# KiCad board JL-rev1.kicad_pcb (continued)
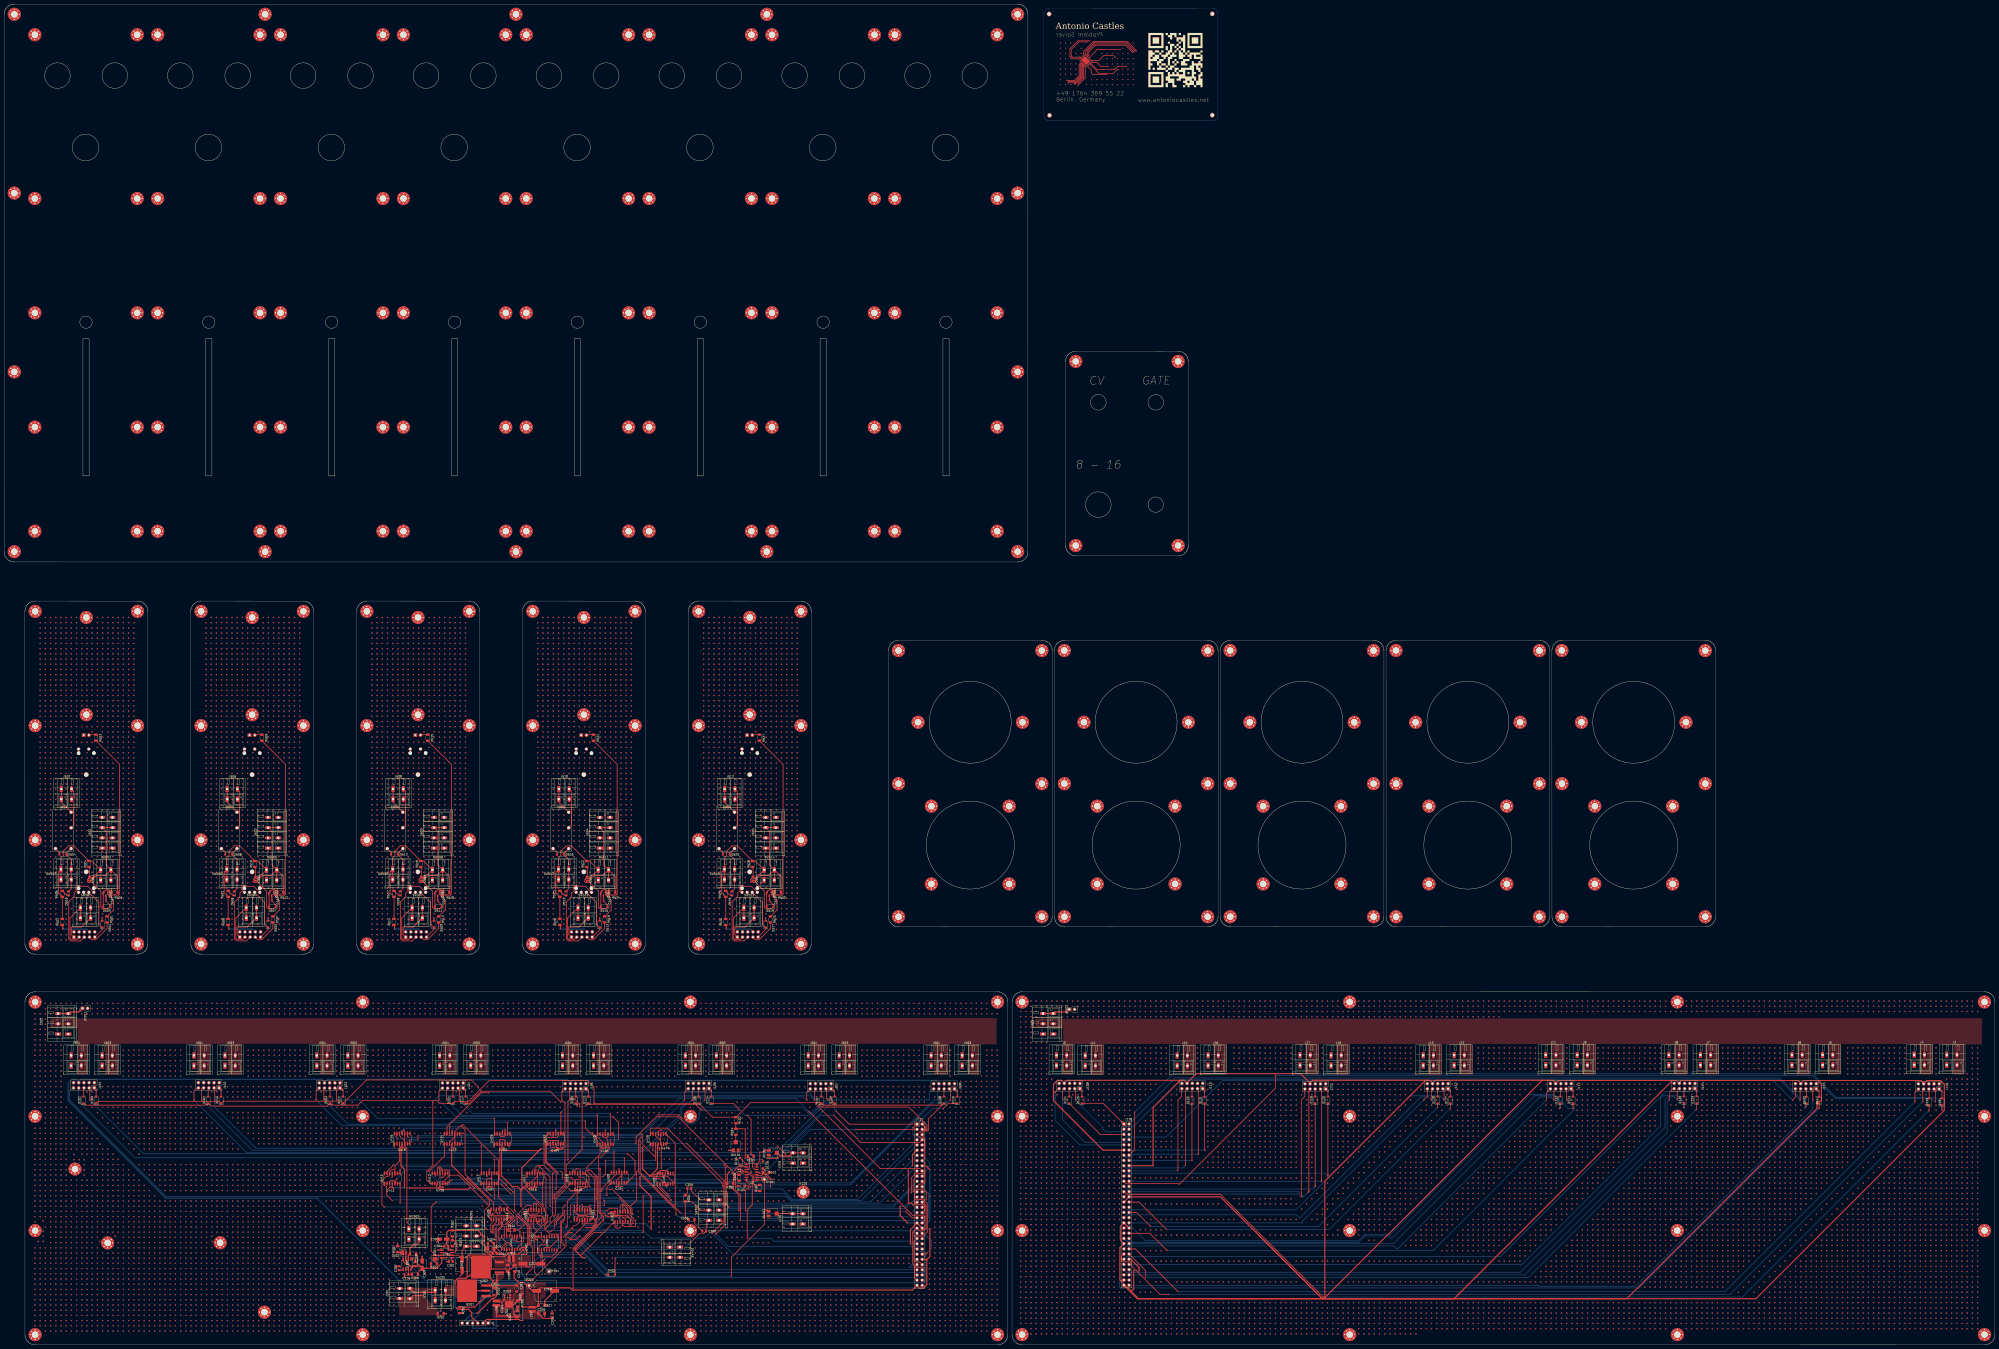
[diagram p0: board, top side]
## Routing (per net, layer and track width the routed paths; a pad name or vN(x,y) marks a point on that pad's centre or on a via; arc(x,y) is an arc through that point) (continued)
  vias: v4(496.44,162.87) v4(496.44,160.33) v4(496.44,157.79) v4(496.44,155.25) v4(496.44,152.71) v4(496.44,150.17) v4(496.44,147.63) v4(496.44,145.09) v4(496.44,142.55) v4(496.44,140.01) v4(496.44,137.47) v4(496.44,134.93) v4(496.44,132.39) v4(496.44,129.85) v4(496.44,127.31) v4(496.44,124.77) v4(496.44,122.23) v4(496.44,119.69) v4(496.44,117.15) v4(496.44,106.99) v4(496.44,104.45) v4(496.44,101.91) v4(496.44,99.37) v4(496.44,96.83) v4(496.44,94.29) v4(496.44,91.75) v4(496.44,89.21) v4(496.44,86.67) v4(496.44,84.13) v4(496.44,81.59) v4(496.44,79.05) v4(496.44,76.51) v4(496.44,73.97) v4(496.44,71.43) v4(496.44,68.89) v4(496.44,66.35) v4(496.44,63.81) v4(496.44,61.27) v4(496.44,51.11) v4(496.44,48.57) v4(496.44,46.03) v4(496.44,43.49) v4(496.44,40.95) v4(496.44,38.41) v4(496.44,35.87) v4(496.44,33.33) v4(496.44,30.79) v4(496.44,28.25) v4(496.44,25.71) v4(496.44,23.17) v4(496.44,20.63) v4(496.44,18.09) v4(496.44,15.55) v4(496.44,13.01) v4(496.44,10.47) v4(498.98,162.87) v4(498.98,160.33) v4(498.98,157.79) v4(498.98,155.25) v4(498.98,152.71) v4(498.98,150.17) v4(498.98,147.63) v4(498.98,145.09) v4(498.98,142.55) v4(498.98,140.01) v4(498.98,137.47) v4(498.98,134.93) v4(498.98,132.39) v4(498.98,129.85) v4(498.98,127.31) v4(498.98,124.77) v4(498.98,122.23) v4(498.98,119.69) v4(498.98,117.15) v4(498.98,106.99) v4(498.98,104.45) v4(498.98,101.91) v4(498.98,99.37) v4(498.98,96.83) v4(498.98,94.29) v4(498.98,91.75) v4(498.98,89.21) v4(498.98,86.67) v4(498.98,84.13) v4(498.98,81.59) v4(498.98,79.05) v4(498.98,76.51) v4(498.98,73.97) v4(498.98,71.43) v4(498.98,68.89) v4(498.98,66.35) v4(498.98,63.81) v4(498.98,61.27) v4(498.98,51.11) v4(498.98,48.57) v4(498.98,46.03) v4(498.98,43.49) v4(498.98,40.95) v4(498.98,38.41) v4(498.98,35.87) v4(498.98,33.33) v4(498.98,30.79) v4(498.98,28.25) v4(498.98,25.71) v4(498.98,23.17) v4(498.98,20.63) v4(498.98,18.09) v4(498.98,15.55) v4(498.98,13.01) v4(498.98,10.47) v4(501.52,167.95) v4(501.52,165.41) v4(501.52,162.87) v4(501.52,160.33) v4(501.52,157.79) v4(501.52,155.25) v4(501.52,152.71) v4(501.52,150.17) v4(501.52,147.63) v4(501.52,145.09) v4(501.52,142.55) v4(501.52,140.01) v4(501.52,137.47) v4(501.52,134.93) v4(501.52,132.39) v4(501.52,129.85) v4(501.52,127.31) v4(501.52,124.77) v4(501.52,122.23) v4(501.52,119.69) v4(501.52,117.15) v4(501.52,114.61) v4(501.52,112.07) v4(501.52,109.53) v4(501.52,106.99) v4(501.52,104.45) v4(501.52,101.91) v4(501.52,99.37) v4(501.52,96.83) v4(501.52,94.29) v4(501.52,91.75) v4(501.52,89.21) v4(501.52,86.67) v4(501.52,84.13) v4(501.52,81.59) v4(501.52,79.05) v4(501.52,76.51) v4(501.52,73.97) v4(501.52,71.43) v4(501.52,68.89) v4(501.52,66.35) v4(501.52,63.81) v4(501.52,61.27) v4(501.52,58.73) v4(501.52,56.19) v4(501.52,53.65) v4(501.52,51.11) v4(501.52,48.57) v4(501.52,46.03) v4(501.52,43.49) v4(501.52,40.95) v4(501.52,38.41) v4(501.52,35.87) v4(501.52,33.33) v4(501.52,30.79) v4(501.52,28.25) v4(501.52,25.71) v4(501.52,23.17) v4(501.52,20.63) v4(501.52,18.09) v4(501.52,15.55) v4(501.52,13.01) v4(501.52,10.47) v4(501.52,7.93) v4(501.52,5.39) v4(504.06,167.95) v4(504.06,165.41) v4(504.06,162.87) v4(504.06,160.33) v4(504.06,147.63) v4(504.06,145.09) v4(504.06,142.55) v4(504.06,140.01) v4(504.06,137.47) v4(504.06,134.93) v4(504.06,132.39) v4(504.06,129.85) v4(504.06,127.31) v4(504.06,124.77) v4(504.06,122.23) v4(504.06,119.69) v4(504.06,117.15) v4(504.06,114.61) v4(504.06,112.07) v4(504.06,109.53) v4(504.06,106.99) v4(504.06,104.45) v4(504.06,101.91) v4(504.06,99.37) v4(504.06,96.83) v4(504.06,94.29) v4(504.06,91.75) v4(504.06,89.21) v4(504.06,86.67) v4(504.06,84.13) v4(504.06,81.59) v4(504.06,79.05) v4(504.06,76.51) v4(504.06,73.97) v4(504.06,71.43) v4(504.06,68.89) v4(504.06,66.35) v4(504.06,63.81) v4(504.06,61.27) v4(504.06,58.73) v4(504.06,56.19) v4(504.06,53.65) v4(504.06,51.11) v4(504.06,48.57) v4(504.06,46.03) v4(504.06,43.49) v4(504.06,40.95) v4(504.06,38.41) v4(504.06,35.87) v4(504.06,33.33) v4(504.06,30.79) v4(504.06,28.25) v4(504.06,25.71) v4(504.06,23.17) v4(504.06,20.63) v4(504.06,18.09) v4(504.06,15.55) v4(504.06,13.01) v4(504.06,10.47) v4(504.06,7.93) v4(504.06,5.39) v4(506.6,167.95) v4(506.6,165.41) v4(506.6,147.63) v4(506.6,145.09) v4(506.6,142.55) v4(506.6,140.01) v4(506.6,137.47) v4(506.6,134.93) v4(506.6,132.39) v4(506.6,129.85) v4(506.6,127.31) v4(506.6,124.77) v4(506.6,122.23) v4(506.6,119.69) v4(506.6,117.15) v4(506.6,114.61) v4(506.6,112.07) v4(506.6,109.53) v4(506.6,106.99) v4(506.6,104.45) v4(506.6,101.91) v4(506.6,99.37) v4(506.6,96.83) v4(506.6,94.29) v4(506.6,91.75) v4(506.6,89.21) v4(506.6,86.67) v4(506.6,84.13) v4(506.6,81.59) v4(506.6,79.05) v4(506.6,76.51) v4(506.6,73.97) v4(506.6,71.43) v4(506.6,68.89) v4(506.6,66.35) v4(506.6,63.81) v4(506.6,61.27) v4(506.6,58.73) v4(506.6,56.19) v4(506.6,53.65) v4(506.6,51.11) v4(506.6,48.57) v4(506.6,46.03) v4(506.6,43.49) v4(506.6,40.95) v4(506.6,38.41) v4(506.6,35.87) v4(506.6,33.33) v4(506.6,30.79) v4(506.6,28.25) v4(506.6,25.71) v4(506.6,23.17) v4(506.6,20.63) v4(506.6,18.09) v4(506.6,15.55) v4(506.6,13.01) v4(506.6,10.47) v4(506.6,7.93) v4(506.6,5.39) v4(509.14,167.95) v4(509.14,165.41) v4(509.14,147.63) v4(509.14,145.09) v4(509.14,142.55) v4(509.14,140.01) v4(509.14,137.47) v4(509.14,134.93) v4(509.14,132.39) v4(509.14,129.85) v4(509.14,127.31) v4(509.14,124.77) v4(509.14,122.23) v4(509.14,119.69) v4(509.14,117.15) v4(509.14,114.61) v4(509.14,112.07) v4(509.14,109.53) v4(509.14,106.99) v4(509.14,104.45) v4(509.14,101.91) v4(509.14,99.37) v4(509.14,96.83) v4(509.14,94.29) v4(509.14,91.75) v4(509.14,89.21) v4(509.14,86.67) v4(509.14,84.13) v4(509.14,81.59) v4(509.14,79.05) v4(509.14,76.51) v4(509.14,73.97) v4(509.14,71.43) v4(509.14,68.89) v4(509.14,66.35) v4(509.14,63.81) v4(509.14,61.27) v4(509.14,58.73) v4(509.14,56.19) v4(509.14,53.65) v4(509.14,51.11) v4(509.14,48.57) v4(509.14,46.03) v4(509.14,43.49) v4(509.14,40.95) v4(509.14,38.41) v4(509.14,35.87) v4(509.14,33.33) v4(509.14,30.79) v4(509.14,28.25) v4(509.14,25.71) v4(509.14,23.17) v4(509.14,20.63) v4(509.14,18.09) v4(509.14,15.55) v4(509.14,13.01) v4(509.14,10.47) v4(509.14,7.93) v4(509.14,5.39) v4(511.68,167.95) v4(511.68,165.41) v4(511.68,129.85) v4(511.68,117.15) v4(511.68,114.61) v4(511.68,112.07) v4(511.68,109.53) v4(511.68,106.99) v4(511.68,104.45) v4(511.68,101.91) v4(511.68,99.37) v4(511.68,96.83) v4(511.68,94.29) v4(511.68,91.75) v4(511.68,89.21) v4(511.68,86.67) v4(511.68,84.13) v4(511.68,81.59) v4(511.68,79.05) v4(511.68,76.51) v4(511.68,73.97) v4(511.68,71.43) v4(511.68,68.89) v4(511.68,66.35) v4(511.68,63.81) v4(511.68,61.27) v4(511.68,58.73) v4(511.68,56.19) v4(511.68,53.65) v4(511.68,51.11) v4(511.68,48.57) v4(511.68,46.03) v4(511.68,43.49) v4(511.68,40.95) v4(511.68,38.41) v4(511.68,35.87) v4(511.68,33.33) v4(511.68,30.79) v4(511.68,28.25) v4(511.68,25.71) v4(511.68,23.17) v4(511.68,20.63) v4(511.68,18.09) v4(511.68,15.55) v4(511.68,13.01) v4(511.68,10.47) v4(511.68,7.93) v4(511.68,5.39) v4(514.22,167.95) v4(514.22,165.41) v4(514.22,122.23) v4(514.22,104.45) v4(514.22,101.91) v4(514.22,99.37) v4(514.22,96.83) v4(514.22,94.29) v4(514.22,91.75) v4(514.22,89.21) v4(514.22,86.67) v4(514.22,84.13) v4(514.22,81.59) v4(514.22,79.05) v4(514.22,76.51) v4(514.22,73.97) v4(514.22,71.43) v4(514.22,68.89) v4(514.22,66.35) v4(514.22,63.81) v4(514.22,61.27) v4(514.22,58.73) v4(514.22,56.19) v4(514.22,53.65) v4(514.22,51.11) v4(514.22,48.57) v4(514.22,46.03) v4(514.22,43.49) v4(514.22,40.95) v4(514.22,38.41) v4(514.22,35.87) v4(514.22,33.33) v4(514.22,30.79) v4(514.22,28.25) v4(514.22,25.71) v4(514.22,23.17) v4(514.22,20.63) v4(514.22,18.09) v4(514.22,15.55) v4(514.22,13.01) v4(514.22,10.47) v4(514.22,7.93) v4(514.22,5.39) v4(516.76,167.95) v4(516.76,165.41) v4(516.76,160.33) v4(516.76,101.91) v4(516.76,99.37) v4(516.76,96.83) v4(516.76,94.29) v4(516.76,91.75) v4(516.76,89.21) v4(516.76,86.67) v4(516.76,84.13) v4(516.76,81.59) v4(516.76,79.05) v4(516.76,76.51) v4(516.76,73.97) v4(516.76,71.43) v4(516.76,68.89) v4(516.76,66.35) v4(516.76,63.81) v4(516.76,61.27) v4(516.76,58.73) v4(516.76,56.19) v4(516.76,53.65) v4(516.76,51.11) v4(516.76,48.57) v4(516.76,46.03) v4(516.76,43.49) v4(516.76,40.95) v4(516.76,38.41) v4(516.76,35.87) v4(516.76,33.33) v4(516.76,30.79) v4(516.76,28.25) v4(516.76,25.71) v4(516.76,23.17) v4(516.76,20.63) v4(516.76,18.09) v4(516.76,15.55) v4(516.76,13.01) v4(516.76,10.47) v4(516.76,7.93) v4(516.76,5.39) v4(519.3,167.95) v4(519.3,160.33) v4(519.3,119.69) v4(519.3,99.37) v4(519.3,96.83) v4(519.3,94.29) v4(519.3,91.75) v4(519.3,89.21) v4(519.3,86.67) v4(519.3,84.13) v4(519.3,81.59) v4(519.3,79.05) v4(519.3,76.51) v4(519.3,73.97) v4(519.3,71.43) v4(519.3,68.89) v4(519.3,66.35) v4(519.3,63.81) v4(519.3,61.27) v4(519.3,58.73) v4(519.3,56.19) v4(519.3,53.65) v4(519.3,51.11) v4(519.3,48.57) v4(519.3,46.03) v4(519.3,43.49) v4(519.3,40.95) v4(519.3,38.41) v4(519.3,35.87) v4(519.3,33.33) v4(519.3,30.79) v4(519.3,28.25) v4(519.3,25.71) v4(519.3,23.17) v4(519.3,20.63) v4(519.3,18.09) v4(519.3,15.55) v4(519.3,13.01) v4(519.3,10.47) v4(519.3,7.93) v4(519.3,5.39) v4(521.84,167.95) v4(521.84,160.33) v4(521.84,122.23) v4(521.84,96.83) v4(521.84,94.29) v4(521.84,91.75) v4(521.84,89.21) v4(521.84,86.67) v4(521.84,84.13) v4(521.84,81.59) v4(521.84,79.05) v4(521.84,76.51) v4(521.84,73.97) v4(521.84,71.43) v4(521.84,68.89) v4(521.84,66.35) v4(521.84,63.81) v4(521.84,61.27) v4(521.84,58.73) v4(521.84,56.19) v4(521.84,53.65) v4(521.84,51.11) v4(521.84,48.57) v4(521.84,46.03) v4(521.84,43.49) v4(521.84,40.95) v4(521.84,38.41) v4(521.84,35.87) v4(521.84,33.33) v4(521.84,30.79) v4(521.84,28.25) v4(521.84,25.71) v4(521.84,23.17) v4(521.84,20.63) v4(521.84,18.09) v4(521.84,15.55) v4(521.84,13.01) v4(521.84,10.47) v4(521.84,7.93) v4(521.84,5.39) v4(524.38,167.95) v4(524.38,165.41) v4(524.38,160.33) v4(524.38,122.23) v4(524.38,94.29) v4(524.38,91.75) v4(524.38,89.21) v4(524.38,86.67) v4(524.38,84.13) v4(524.38,81.59) v4(524.38,79.05) v4(524.38,76.51) v4(524.38,73.97) v4(524.38,71.43) v4(524.38,68.89) v4(524.38,66.35) v4(524.38,63.81) v4(524.38,61.27) v4(524.38,58.73) v4(524.38,56.19) v4(524.38,53.65) v4(524.38,51.11) v4(524.38,48.57) v4(524.38,46.03) v4(524.38,43.49) v4(524.38,40.95) v4(524.38,38.41) v4(524.38,35.87) v4(524.38,33.33) v4(524.38,30.79) v4(524.38,28.25) v4(524.38,25.71) v4(524.38,23.17) v4(524.38,20.63) v4(524.38,18.09) v4(524.38,15.55) v4(524.38,13.01) v4(524.38,10.47) v4(524.38,7.93) v4(524.38,5.39) v4(526.92,167.95) v4(526.92,165.41) v4(526.92,162.87) v4(526.92,160.33) v4(526.92,119.69) v4(526.92,94.29) v4(526.92,91.75) v4(526.92,89.21) v4(526.92,86.67) v4(526.92,84.13) v4(526.92,81.59) v4(526.92,79.05) v4(526.92,76.51) v4(526.92,73.97) v4(526.92,71.43) v4(526.92,68.89) v4(526.92,66.35) v4(526.92,63.81) v4(526.92,61.27) v4(526.92,58.73) v4(526.92,56.19) v4(526.92,53.65) v4(526.92,51.11) v4(526.92,48.57) v4(526.92,46.03) v4(526.92,43.49) v4(526.92,40.95) v4(526.92,38.41) v4(526.92,35.87) v4(526.92,33.33) v4(526.92,30.79) v4(526.92,28.25) v4(526.92,25.71) v4(526.92,23.17) v4(526.92,20.63) v4(526.92,18.09) v4(526.92,15.55) v4(526.92,13.01) v4(526.92,10.47) v4(526.92,7.93) v4(526.92,5.39) v4(529.46,167.95) v4(529.46,165.41) v4(529.46,162.87) v4(529.46,160.33) v4(529.46,127.31) v4(529.46,124.77) v4(529.46,122.23) v4(529.46,119.69) v4(529.46,94.29) v4(529.46,91.75) v4(529.46,89.21) v4(529.46,86.67) v4(529.46,84.13) v4(529.46,81.59) v4(529.46,79.05) v4(529.46,76.51) v4(529.46,73.97) v4(529.46,71.43) v4(529.46,68.89) v4(529.46,66.35) v4(529.46,63.81) v4(529.46,61.27) v4(529.46,58.73) v4(529.46,56.19) v4(529.46,53.65) v4(529.46,51.11) v4(529.46,48.57) v4(529.46,46.03) v4(529.46,43.49) v4(529.46,40.95) v4(529.46,38.41) v4(529.46,35.87) v4(529.46,33.33) v4(529.46,30.79) v4(529.46,28.25) v4(529.46,25.71) v4(529.46,23.17) v4(529.46,20.63) v4(529.46,18.09) v4(529.46,15.55) v4(529.46,13.01) v4(529.46,10.47) v4(529.46,7.93) v4(529.46,5.39) v4(532,167.95) v4(532,165.41) v4(532,162.87) v4(532,160.33) v4(532,127.31) v4(532,124.77) v4(532,122.23) v4(532,119.69) v4(532,114.61) v4(532,94.29) v4(532,91.75) v4(532,89.21) v4(532,86.67) v4(532,84.13) v4(532,81.59) v4(532,79.05) v4(532,76.51) v4(532,73.97) v4(532,71.43) v4(532,68.89) v4(532,66.35) v4(532,63.81) v4(532,61.27) v4(532,58.73) v4(532,56.19) v4(532,53.65) v4(532,51.11) v4(532,48.57) v4(532,46.03) v4(532,43.49) v4(532,40.95) v4(532,38.41) v4(532,35.87) v4(532,33.33) v4(532,30.79) v4(532,28.25) v4(532,25.71) v4(532,23.17) v4(532,20.63) v4(532,18.09) v4(532,15.55) v4(532,13.01) v4(532,10.47) v4(532,7.93) v4(532,5.39) v4(534.54,167.95) v4(534.54,165.41) v4(534.54,162.87) v4(534.54,160.33) v4(534.54,127.31) v4(534.54,124.77) v4(534.54,122.23) v4(534.54,119.69) v4(534.54,114.61) v4(534.54,112.07) v4(534.54,94.29) v4(534.54,91.75) v4(534.54,89.21) v4(534.54,86.67) v4(534.54,84.13) v4(534.54,81.59) v4(534.54,79.05) v4(534.54,76.51) v4(534.54,73.97) v4(534.54,71.43) v4(534.54,68.89) v4(534.54,66.35) v4(534.54,63.81) v4(534.54,61.27) v4(534.54,58.73) v4(534.54,56.19) v4(534.54,53.65) v4(534.54,51.11) v4(534.54,48.57) v4(534.54,46.03) v4(534.54,43.49) v4(534.54,40.95) v4(534.54,38.41) v4(534.54,35.87) v4(534.54,33.33) v4(534.54,30.79) v4(534.54,28.25) v4(534.54,25.71) v4(534.54,23.17) v4(534.54,20.63) v4(534.54,18.09) v4(534.54,15.55) v4(534.54,13.01) v4(534.54,10.47) v4(534.54,7.93) v4(534.54,5.39) v4(537.08,167.95) v4(537.08,165.41) v4(537.08,162.87) v4(537.08,160.33) v4(537.08,127.31) v4(537.08,124.77) v4(537.08,122.23) v4(537.08,119.69) v4(537.08,114.61) v4(537.08,112.07) v4(537.08,109.53) v4(537.08,91.75) v4(537.08,89.21) v4(537.08,86.67) v4(537.08,84.13) v4(537.08,81.59) v4(537.08,79.05) v4(537.08,76.51) v4(537.08,73.97) v4(537.08,71.43) v4(537.08,68.89) v4(537.08,66.35) v4(537.08,63.81) v4(537.08,61.27) v4(537.08,58.73) v4(537.08,56.19) v4(537.08,53.65) v4(537.08,51.11) v4(537.08,48.57) v4(537.08,46.03) v4(537.08,43.49) v4(537.08,40.95) v4(537.08,38.41) v4(537.08,35.87) v4(537.08,33.33) v4(537.08,30.79) v4(537.08,28.25) v4(537.08,25.71) v4(537.08,23.17) v4(537.08,20.63) v4(537.08,18.09) v4(537.08,15.55) v4(537.08,13.01) v4(537.08,10.47) v4(537.08,7.93) v4(537.08,5.39) v4(539.62,167.95) v4(539.62,165.41) v4(539.62,162.87) v4(539.62,160.33) v4(539.62,145.09) v4(539.62,142.55) v4(539.62,140.01) v4(539.62,137.47) v4(539.62,134.93) v4(539.62,132.39) v4(539.62,127.31) v4(539.62,124.77) v4(539.62,122.23) v4(539.62,119.69) v4(539.62,112.07) v4(539.62,109.53) v4(539.62,106.99) v4(539.62,91.75) v4(539.62,89.21) v4(539.62,86.67) v4(539.62,84.13) v4(539.62,81.59) v4(539.62,79.05) v4(539.62,76.51) v4(539.62,73.97) v4(539.62,71.43) v4(539.62,68.89) v4(539.62,66.35) v4(539.62,63.81) v4(539.62,61.27) v4(539.62,58.73) v4(539.62,56.19) v4(539.62,53.65) v4(539.62,51.11) v4(539.62,48.57) v4(539.62,46.03) v4(539.62,43.49) v4(539.62,40.95) v4(539.62,38.41) v4(539.62,35.87) v4(539.62,33.33) v4(539.62,30.79) v4(539.62,28.25) v4(539.62,25.71) v4(539.62,23.17) v4(539.62,20.63) v4(539.62,18.09) v4(539.62,15.55) v4(539.62,13.01) v4(539.62,10.47) v4(539.62,7.93) v4(539.62,5.39) v4(542.16,167.95) v4(542.16,165.41) v4(542.16,162.87) v4(542.16,160.33) v4(542.16,145.09) v4(542.16,142.55) v4(542.16,140.01) v4(542.16,137.47) v4(542.16,134.93) v4(542.16,132.39) v4(542.16,127.31) v4(542.16,124.77) v4(542.16,122.23) v4(542.16,119.69) v4(542.16,117.15) v4(542.16,109.53) v4(542.16,106.99) v4(542.16,91.75) v4(542.16,89.21) v4(542.16,86.67) v4(542.16,84.13) v4(542.16,81.59) v4(542.16,79.05) v4(542.16,76.51) v4(542.16,73.97) v4(542.16,71.43) v4(542.16,68.89) v4(542.16,66.35) v4(542.16,63.81) v4(542.16,61.27) v4(542.16,58.73) v4(542.16,56.19) v4(542.16,53.65) v4(542.16,51.11) v4(542.16,48.57) v4(542.16,46.03) v4(542.16,43.49) v4(542.16,40.95) v4(542.16,38.41) v4(542.16,35.87) v4(542.16,33.33) v4(542.16,30.79) v4(542.16,28.25) v4(542.16,25.71) v4(542.16,23.17) v4(542.16,20.63) v4(542.16,18.09) v4(542.16,15.55) v4(542.16,13.01) v4(542.16,10.47) v4(542.16,7.93) v4(542.16,5.39) v4(544.7,167.95) v4(544.7,165.41) v4(544.7,162.87) v4(544.7,160.33) v4(544.7,145.09) v4(544.7,142.55) v4(544.7,140.01) v4(544.7,137.47) v4(544.7,134.93) v4(544.7,132.39) v4(544.7,127.31) v4(544.7,124.77) v4(544.7,122.23) v4(544.7,119.69) v4(544.7,117.15) v4(544.7,114.61) v4(544.7,106.99) v4(544.7,91.75) v4(544.7,89.21) v4(544.7,86.67) v4(544.7,84.13) v4(544.7,81.59) v4(544.7,79.05) v4(544.7,76.51) v4(544.7,73.97) v4(544.7,71.43) v4(544.7,68.89) v4(544.7,66.35) v4(544.7,63.81) v4(544.7,61.27) v4(544.7,25.71) v4(544.7,23.17) v4(544.7,20.63) v4(544.7,18.09) v4(544.7,15.55) v4(544.7,13.01) v4(544.7,10.47) v4(544.7,7.93) v4(544.7,5.39) v4(547.24,167.95) v4(547.24,165.41) v4(547.24,162.87) v4(547.24,160.33) v4(547.24,145.09) v4(547.24,142.55) v4(547.24,140.01) v4(547.24,137.47) v4(547.24,134.93) v4(547.24,132.39) v4(547.24,127.31) v4(547.24,124.77) v4(547.24,122.23) v4(547.24,119.69) v4(547.24,117.15) v4(547.24,114.61) v4(547.24,112.07) v4(547.24,25.71) v4(547.24,23.17) v4(547.24,20.63) v4(547.24,18.09) v4(547.24,15.55) v4(547.24,13.01) v4(547.24,10.47) v4(547.24,7.93) v4(547.24,5.39) v4(549.78,167.95) v4(549.78,165.41) v4(549.78,162.87) v4(549.78,160.33) v4(549.78,145.09) v4(549.78,142.55) v4(549.78,140.01) v4(549.78,137.47) v4(549.78,134.93) v4(549.78,132.39) v4(549.78,127.31) v4(549.78,124.77) v4(549.78,122.23) v4(549.78,119.69) v4(549.78,117.15) v4(549.78,114.61) v4(549.78,112.07) v4(549.78,23.17) v4(549.78,20.63) v4(549.78,18.09) v4(549.78,15.55) v4(549.78,13.01) v4(549.78,10.47) v4(549.78,7.93) v4(549.78,5.39) v4(552.32,167.95) v4(552.32,165.41) v4(552.32,162.87) v4(552.32,160.33) v4(552.32,145.09) v4(552.32,142.55) v4(552.32,140.01) v4(552.32,137.47) v4(552.32,134.93) v4(552.32,132.39) v4(552.32,127.31) v4(552.32,124.77) v4(552.32,122.23) v4(552.32,119.69) v4(552.32,117.15) v4(552.32,81.59) v4(552.32,61.27) v4(552.32,20.63) v4(552.32,18.09) v4(552.32,15.55) v4(552.32,13.01) v4(552.32,10.47) v4(552.32,7.93) v4(552.32,5.39) v4(554.86,167.95) v4(554.86,165.41) v4(554.86,162.87) v4(554.86,160.33) v4(554.86,145.09) v4(554.86,142.55) v4(554.86,140.01) v4(554.86,137.47) v4(554.86,134.93) v4(554.86,132.39) v4(554.86,127.31) v4(554.86,124.77) v4(554.86,122.23) v4(554.86,119.69) v4(554.86,106.99) v4(554.86,104.45) v4(554.86,99.37) v4(554.86,96.83) v4(554.86,91.75) v4(554.86,81.59) v4(554.86,56.19) v4(554.86,30.79) v4(554.86,25.71) v4(554.86,20.63) v4(554.86,18.09) v4(554.86,15.55) v4(554.86,13.01) v4(554.86,10.47) v4(554.86,7.93) v4(554.86,5.39) v4(557.4,167.95) v4(557.4,165.41) v4(557.4,162.87) v4(557.4,160.33) v4(557.4,145.09) v4(557.4,142.55) v4(557.4,140.01) v4(557.4,137.47) v4(557.4,134.93) v4(557.4,132.39) v4(557.4,127.31) v4(557.4,124.77) v4(557.4,122.23) v4(557.4,109.53) v4(557.4,106.99) v4(557.4,104.45) v4(557.4,99.37) v4(557.4,96.83) v4(557.4,91.75) v4(557.4,81.59) v4(557.4,68.89) v4(557.4,56.19) v4(557.4,46.03) v4(557.4,25.71) v4(557.4,20.63) v4(557.4,18.09) v4(557.4,15.55) v4(557.4,13.01) v4(557.4,10.47) v4(557.4,7.93) v4(557.4,5.39) v4(559.94,167.95) v4(559.94,165.41) v4(559.94,162.87) v4(559.94,160.33) v4(559.94,145.09) v4(559.94,142.55) v4(559.94,140.01) v4(559.94,137.47) v4(559.94,134.93) v4(559.94,132.39) v4(559.94,127.31) v4(559.94,124.77) v4(559.94,112.07) v4(559.94,109.53) v4(559.94,106.99) v4(559.94,104.45) v4(559.94,99.37) v4(559.94,96.83) v4(559.94,91.75) v4(559.94,81.59) v4(559.94,68.89) v4(559.94,61.27) v4(559.94,56.19) v4(559.94,46.03) v4(559.94,25.71) v4(559.94,20.63) v4(559.94,18.09) v4(559.94,15.55) v4(559.94,13.01) v4(559.94,10.47) v4(559.94,7.93) v4(559.94,5.39) v4(562.48,167.95) v4(562.48,165.41) v4(562.48,162.87) v4(562.48,160.33) v4(562.48,145.09) v4(562.48,142.55) v4(562.48,140.01) v4(562.48,137.47) v4(562.48,134.93) v4(562.48,132.39) v4(562.48,127.31) v4(562.48,114.61) v4(562.48,112.07) v4(562.48,109.53) v4(562.48,106.99) v4(562.48,104.45) v4(562.48,99.37) v4(562.48,96.83) v4(562.48,91.75) v4(562.48,81.59) v4(562.48,68.89) v4(562.48,56.19) v4(562.48,53.65) v4(562.48,46.03) v4(562.48,40.95) v4(562.48,30.79) v4(562.48,20.63) v4(562.48,18.09) v4(562.48,15.55) v4(562.48,13.01) v4(562.48,10.47) v4(562.48,7.93) v4(562.48,5.39) v4(565.02,167.95)